# KiCad board OpenEFI_rev4_bkp.kicad_pcb (continued)
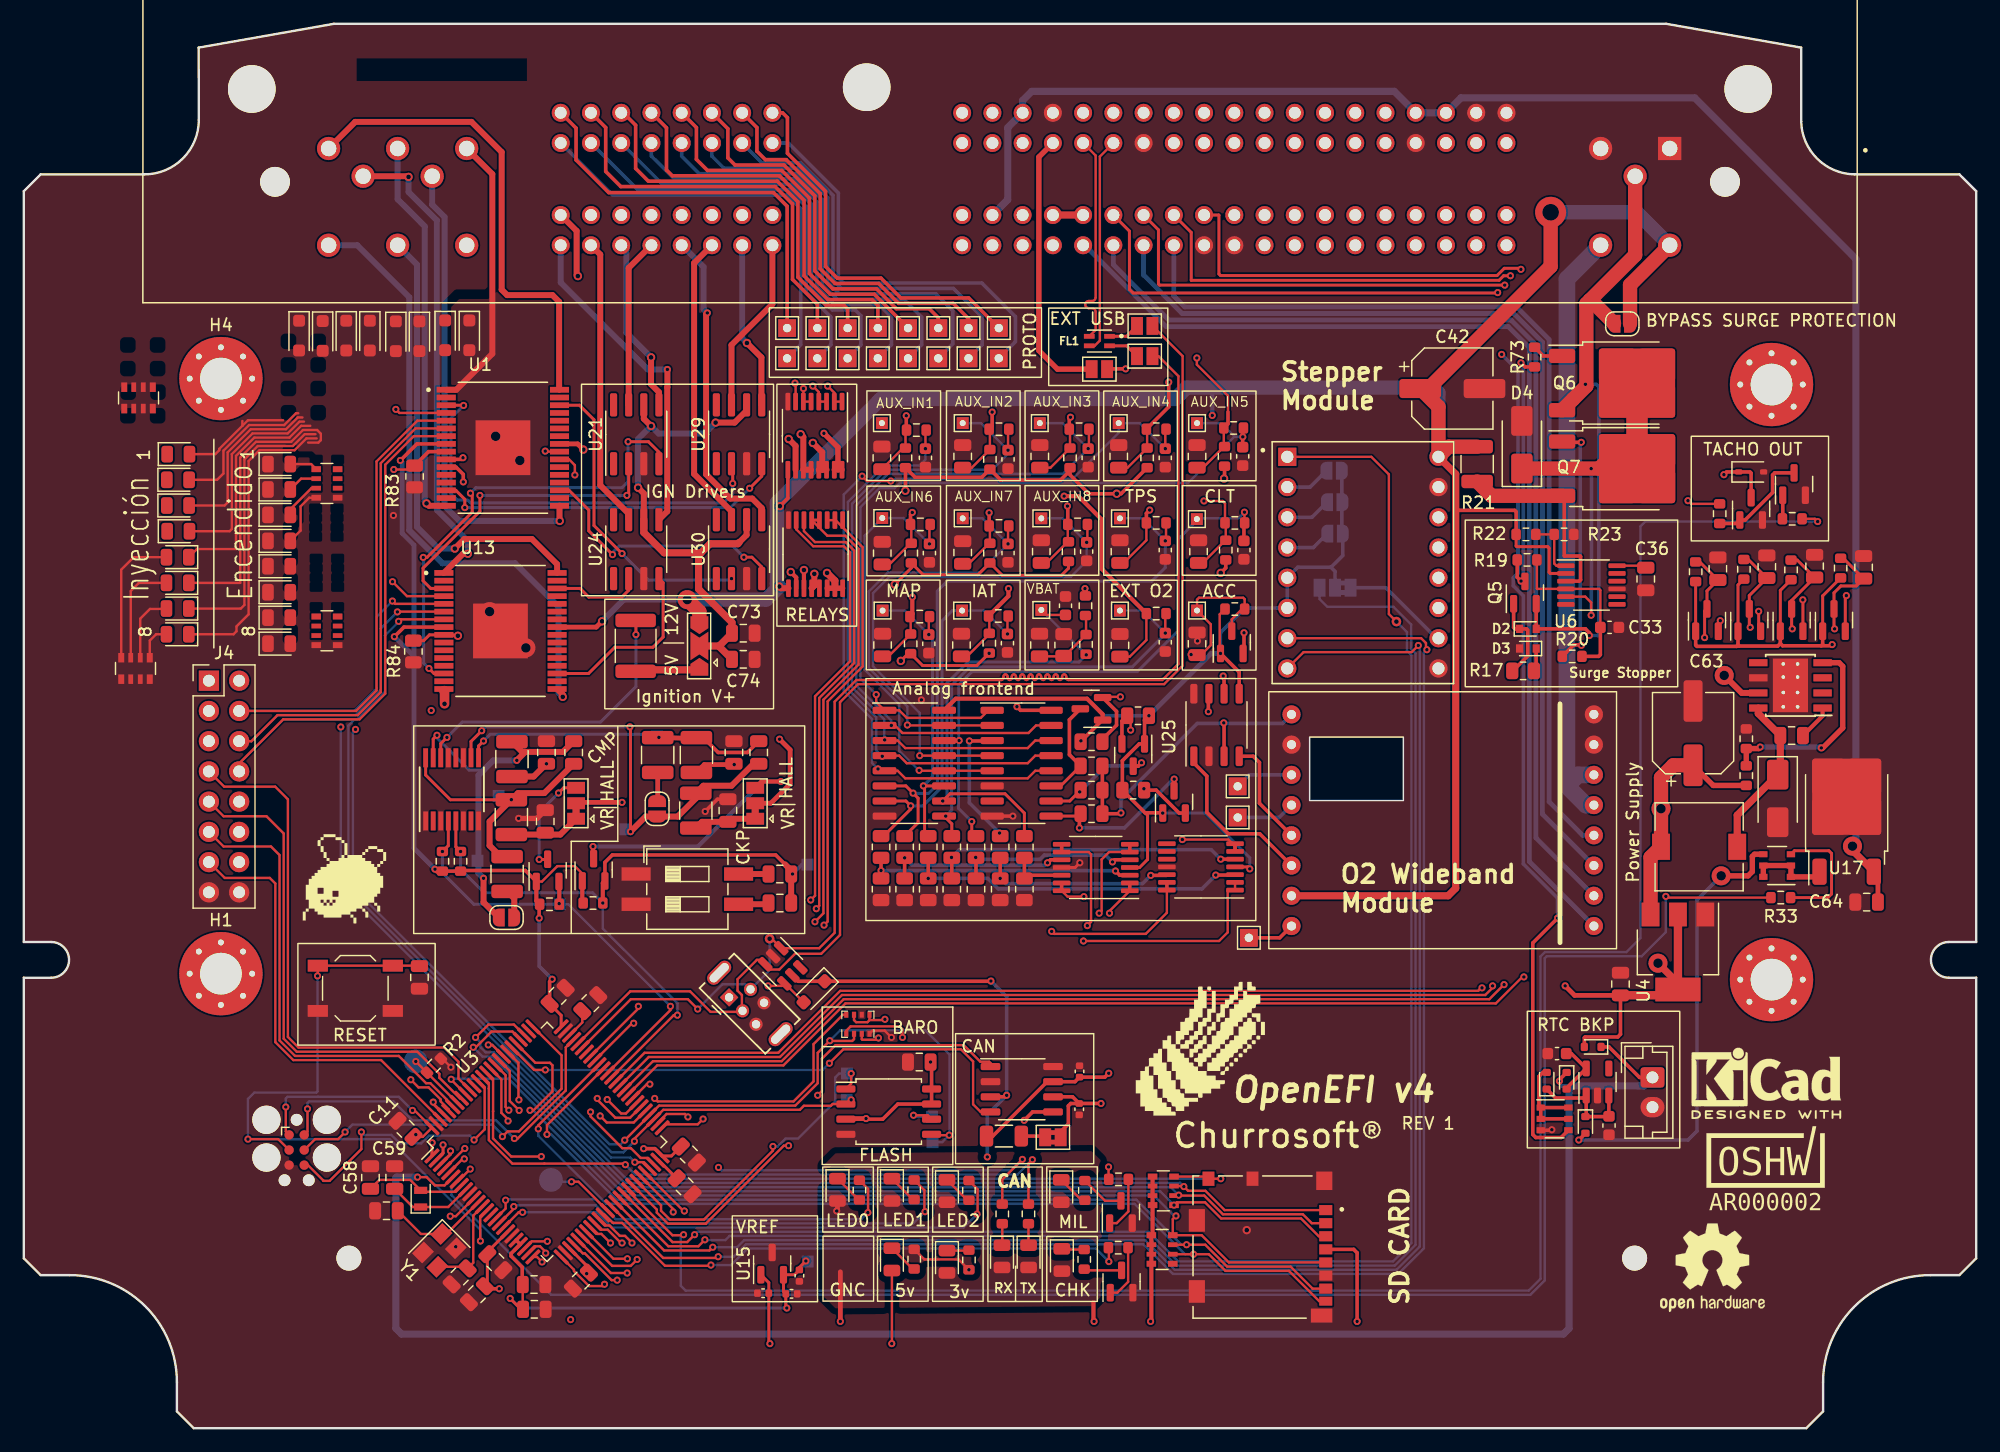
[diagram p0: board, top side]
## Placement (name value [footprint] x y rotation side) (continued)
U8  BMP280  [Bosch_LGA-8_2x2.5mm_P0.65mm_ClockwisePinNumbering]  70.06 33.94 180 top
U9  LMV324  [TSSOP-14_4.4x5mm_P0.65mm]  90.04 47.11 180 top
U10  LMV324  [TSSOP-14_4.4x5mm_P0.65mm]  98.88 47.16 180 top
U11  SRV05-4  [SOT-23-6]  63.75 38.85 315 top
U12  TJA1051T-3  [SOP-8_3.9x4.9mm_P1.27mm]  83.83 28.48 0 top
U13  MCZ33810EK  [SOP65P1030X245-33N]  40.04 66.99 0 top
U14  MIC5205-3.3YM5  [SOT-23-5]  132.19 29.09 90 top
U15  REF3033  [SOT-23]  62.86 13.83 90 top
U16  TPS5430DDA  [TI_SO-PowerPAD-8_ThermalVias]  148.4 62.41 180 top
U17  L78M05ABDT-TR  [TO-252-2]  153.12 51.8 90 top
U19  f042_wideband_module  [rusEFI_WBO]  121.09 51.72 0 top
U20  TPL7407LAPWR  [TSSOP-16_4.4x5mm_P0.65mm]  66.51 73.44 270 top
U21  TC4424A  [SOIC-8_3.9x4.9mm_P1.27mm]  51.44 83.51 90 top
U22  TPL7407LAPWR  [TSSOP-16_4.4x5mm_P0.65mm]  66.46 83.39 270 top
U23  PaP_Driver_v1  [MODULE_A4988_STEPPER_MOTOR_DRIVER_CARRIER]  112.48 72.73 0 top
U24  TC4424A  [SOIC-8_3.9x4.9mm_P1.27mm]  51.44 73.86 90 top
U25  TJA1051T-3  [SOP-8_3.9x4.9mm_P1.27mm]  100.19 59.09 90 top
U26  SP720ABTG  [SOP-16_3.9x9.9mm_P1.27mm]  74.8 55.87 0 top
U29  TC4424A  [SOIC-8_3.9x4.9mm_P1.27mm]  60.08 83.51 90 top
U30  TC4424A  [SOIC-8_3.9x4.9mm_P1.27mm]  60.08 73.86 90 top
U36  MAX9926UAEE+  [QSOP-16_3.9x4.9mm_P0.635mm]  35.98 53.68 90 top
Y1  25MHz  [Crystal_SMD_3225-4Pin_3.2x2.5mm]  34.91 14.94 225 top
Y3  32.768kHz  [Crystal_SMD_2012-2Pin_2.0x1.2mm]  33.33 19.28 90 top

## Library data of the parts
C1 C5 C9-C11 C13-C15 C17 C18 C21 C24 C25 C30 C32 C34 C36 C37 C39 C45 C64-C66 C68 C70 = -: LCSC: C49678; ki_fp_filters: C_*
C2 C3 = -: LCSC: C1794; ki_fp_filters: C_*
C4 C20 C23 C26 C29 C33 C35 C38 C44 C46 C49 C50 C60 C61 C67 C69 C71 = -: ki_fp_filters: C_*
C6 = -: LCSC: C28323; ki_fp_filters: C_*
C7 C8 = -: LCSC: C49217; Note: Low ESR <2Ohm; ki_fp_filters: C_*
C16 = -: LCSC: 0805; ki_fp_filters: CP_*
C19 C22 C31 C51 C72 = -: Digikey Part Number: 311-1136-1-ND; LCSC: C83170; Manufacturer_Name: Yageo; Manufacturer_Part_Number: CC0805KRX7R9BB103; URL: https://www.digikey.com/product-detail/en/yageo/CC0805KRX7R9BB103/311-1136-1-ND/303046; ki_fp_filters: C_*
C27 C28 = -: LCSC: C1567; ki_fp_filters: C_*
C40 C43 = -: LCSC: C52923; ki_fp_filters: C_*
C41 C52-C57 = -: LCSC: C100042; ki_fp_filters: C_*
C42 = -: LCSC: C141427; ki_fp_filters: CP_*
C47 = -: LCSC: C576950; ki_fp_filters: C_*
C48 = -: LCSC: C1525; ki_fp_filters: C_*
C58 C59 = -: LCSC: C282251; ki_fp_filters: C_*
C62 = -: LCSC: C1846; ki_fp_filters: C_*
C63 = -: LCSC: null; ki_fp_filters: CP_*
C73 = -: Digikey Part Number: 311-1365-1-ND; LCSC: C94122; Manufacturer_Name: Yageo; Manufacturer_Part_Number: CC0805KKX7R7BB105; URL: https://www.digikey.com/product-detail/en/yageo/CC0805KKX7R7BB105/311-1365-1-ND/2103149; ki_fp_filters: C_*
C74 = -: Digikey Part Number: 311-1140-1-ND; LCSC: C49678; Manufacturer_Name: Yageo; Manufacturer_Part_Number: CC0805KRX7R9BB104; URL: https://www.digikey.com.au/product-detail/en/yageo/CC0805KRX7R9BB104/311-1140-1-ND/303050; ki_fp_filters: C_*
D1 D16-D22 D77 = -: Digikey Part Number: SML-H12D8TT86CCT-ND; LCSC: C965814; Manufacturer_Name: Rohm Semiconductor; Manufacturer_Part_Number: SML-H12D8TT86C; URL: https://www.digikey.com.au/product-detail/en/rohm-semiconductor/SML-H12D8TT86C/SML-H12D8TT86CCT-ND/9090486; ki_fp_filters: LED* LED_SMD:* LED_THT:*
D2 D3 D14 D23-D25 = -: Datasheet: https://assets.nexperia.com/documents/data-sheet/1N4148_1N4448.pdf; LCSC: C511874; ki_fp_filters: D*DO?35*
D4 = -: LCSC: C148235; ki_fp_filters: TO-???* *_Diode_* *SingleDiode* D_*
D5 D10 = -: Digikey Part Number: SML-H12D8TT86CCT-ND; LCSC: C965817; Manufacturer_Name: Rohm Semiconductor; Manufacturer_Part_Number: SML-H12D8TT86C; URL: https://www.digikey.com.au/product-detail/en/rohm-semiconductor/SML-H12D8TT86C/SML-H12D8TT86CCT-ND/9090486; ki_fp_filters: LED* LED_SMD:* LED_THT:*
D6 D7 D12 D13 = -: Digikey Part Number: SML-H12D8TT86CCT-ND; LCSC: C965813; Manufacturer_Name: Rohm Semiconductor; Manufacturer_Part_Number: SML-H12D8TT86C; URL: https://www.digikey.com.au/product-detail/en/rohm-semiconductor/SML-H12D8TT86C/SML-H12D8TT86CCT-ND/9090486; ki_fp_filters: LED* LED_SMD:* LED_THT:*
D8 = -: Digikey Part Number: SML-H12D8TT86CCT-ND; LCSC: C965816; Manufacturer_Name: Rohm Semiconductor; Manufacturer_Part_Number: SML-H12D8TT86C; URL: https://www.digikey.com.au/product-detail/en/rohm-semiconductor/SML-H12D8TT86C/SML-H12D8TT86CCT-ND/9090486; ki_fp_filters: LED* LED_SMD:* LED_THT:*
D9 = -: Digikey Part Number: SML-H12D8TT86CCT-ND; LCSC: C965812; Manufacturer_Name: Rohm Semiconductor; Manufacturer_Part_Number: SML-H12D8TT86C; URL: https://www.digikey.com.au/product-detail/en/rohm-semiconductor/SML-H12D8TT86C/SML-H12D8TT86CCT-ND/9090486; ki_fp_filters: LED* LED_SMD:* LED_THT:*
D11 = -: LCSC: C894524; STOCK: BI000000597; ki_fp_filters: TO-???* *_Diode_* *SingleDiode* D_*
D15 = -: Datasheet: http://www.diodes.com/_files/datasheets/ds23022.pdf; LCSC: C191023; ki_fp_filters: D*DO?41*
D26 = -: LCSC: C3018525; ki_fp_filters: TO-???* *_Diode_* *SingleDiode* D_*
D43 D63 D65 D67 D69 D71 D73 D75 = -: Digikey Part Number: 475-1415-1-ND; LCSC: C965815; Manufacturer_Name: OSRAM; Manufacturer_Part_Number: LH R974-LP-1; URL: https://www.digikey.com/product-detail/en/osram-opto-semiconductors-inc/LH-R974-LP-1/475-1415-1-ND/1802604; ki_fp_filters: LED* LED_SMD:* LED_THT:*
D47 D64 D66 D68 D70 D72 D74 = -: LCSC: C5277952; Manufacturer_Name: MCC; Manufacturer_Part_Number: 1N4448WX-TP; URL: https://www.digikey.com/product-detail/en/micro-commercial-co/1N4448WX-TP/1N4448WXTPMSCT-ND/789338; ki_fp_filters: TO-???* *_Diode_* *SingleDiode* D_*
D76 = -: LCSC: C7473300; Manufacturer_Name: MCC; Manufacturer_Part_Number: 1N4448WX-TP; URL: https://www.digikey.com/product-detail/en/micro-commercial-co/1N4448WX-TP/1N4448WXTPMSCT-ND/789338; ki_fp_filters: TO-???* *_Diode_* *SingleDiode* D_*
F1 = -: Digikey Part Number: 507-1361-1-ND; LCSC: C883142; Manufacturer_Name: Bel Fuse Inc.; Manufacturer_Part_Number: 0ZCC0050FF2C; URL: https://www.digikey.com.au/product-detail/en/bel-fuse-inc/0ZCC0050FF2C/507-1361-1-ND/1560228; ki_fp_filters: *polyfuse* *PTC*
FL1 = -: Description: Ind Common Mode Choke Shielded Wirewound 90 Ohm 25% 100MHz 280mA 0805 Emboss T/R; Availability: In Stock; Check_prices: https://www.snapeda.com/parts/DLW21SZ900HQ2L/Murata/view-part/?ref=eda; MANUFACTURER: Murata; MAXIMUM_PACKAGE_HEIGHT: 1.40mm; MF: Murata Electronics; PARTREV: N/A; Package: Horizontal-4 Murata; Price: None; Purchase-URL: https://www.snapeda.com/api/url_track_click_mouser/?unipart_id=1498725&manufacturer=Murata Electronics&part_name=DLW21SZ900HQ2L&search_term=dlw21sz900hq2l; STANDARD: Manufacturer Recommendations; SnapEDA_Link: https://www.snapeda.com/parts/DLW21SZ900HQ2L/Murata/view-part/?ref=snap
H1-H6 = -: ki_fp_filters: MountingHole*
J1 = -: LCSC: C2682228; ki_fp_filters: USB*
J2 J4 = -: ki_fp_filters: Connector*:*_2x??_*
J3 = -: Description: Surface Mount Micro SD Card Connector, with Push In Termination | Molex Incorporated 104031-0811; Availability: In Stock; Check_prices: https://www.snapeda.com/parts/104031-0811/Molex/view-part/?ref=eda; MANUFACTURER: Molex; MAXIMUM_PACKAGE_HEIGHT: 1.57mm; MF: Molex; PARTREV: B2; Package: None; Price: None; Purchase-URL: https://www.snapeda.com/api/url_track_click_mouser/?unipart_id=301764&manufacturer=Molex&part_name=104031-0811&search_term=1040310811; STANDARD: Manufacturer Recommendations; SnapEDA_Link: https://www.snapeda.com/parts/104031-0811/Molex/view-part/?ref=snap
J6 = -: Description: Conn Micro Quadlok Interconnection HDR 108/13 POS 2.54mm Solder RA Thru-Hole Automotive Loose; Availability: In Stock; Check_prices: https://www.snapeda.com/parts/1241434-1/TE+Connectivity+AMP+Connectors/view-part/?ref=eda; EU_RoHS_Compliance: Compliant; MANUFACTURER: TE Connectivity; MAXIMUM_PACKAGE_HEIGHT: 31.4 mm; MF: TE Connectivity; PARTREV: C15; Package: None; Price: None; Purchase-URL: https://www.snapeda.com/api/url_track_click_mouser/?unipart_id=1973699&manufacturer=TE Connectivity&part_name=1241434-1&search_term=None; STANDARD: Manufacturer Recommendations; SnapEDA_Link: https://www.snapeda.com/parts/1241434-1/TE+Connectivity+AMP+Connectors/view-part/?ref=snap
JP1-JP3 JP10-JP12 JP23 JP24 = -: ki_fp_filters: SolderJumper*Open*
JP4 = -: ki_fp_filters: SolderJumper*Open* Jumper* TestPoint*2Pads* TestPoint*Bridge*
JP5 JP8 JP9 = -: ki_fp_filters: Jumper* TestPoint*3Pads* TestPoint*Bridge*
JP6 = -: ki_fp_filters: SolderJumper*Bridged12*
JP7 = -: ki_fp_filters: Jumper* TestPoint*2Pads* TestPoint*Bridge*
L1 = -: ki_fp_filters: Choke_* *Coil* Inductor_* L_*
Q1-Q4 Q12 Q14-Q19 = -: Datasheet: http://www.aosmd.com/pdfs/datasheet/AO3400A.pdf; LCSC: C347475; ki_fp_filters: SOT?23*
Q5 Q8 Q9 Q11 = -: Datasheet: http://www.onsemi.com/pub_link/Collateral/2N3055-D.PDF; LCSC: C2150; ki_fp_filters: TO?3*
Q6 Q7 = -: Datasheet: http://www.irf.com/product-info/datasheets/data/irlz44n.pdf; LCSC: C2584; ki_fp_filters: TO?220*
Q10 Q20 = -: Datasheet: http://www.irf.com/product-info/datasheets/data/irf540n.pdf; LCSC: C5288813; ki_fp_filters: TO?220*
R1 R2 R33 R68 R121 R122 = -: ki_fp_filters: R_*
R3-R5 R24-R27 R29 R30 = -: LCSC: C23162; ki_fp_filters: R_*
R6 R9 R12 R15 R36 R39 R41 R43 R46 R54 R74 = -: LCSC: C22908; ki_fp_filters: R_*
R7 R44 R48 R61 R63 R66 R69 = -: Digikey Part Number: P348KCDKR-ND; Manufacturer_Name: Panasonic; Manufacturer_Part_Number: ERJ-6ENF3483V; URL: https://www.digikey.com.au/product-detail/en/panasonic-electronic-components/ERJ-6ENF3483V/P348KCDKR-ND/576673; ki_fp_filters: R_*
R8 R11 R14 R37 R38 R40 R42 R45 R56 R60 R75-R78 = -: LCSC: C23179; ki_fp_filters: R_*
R10 R13 R47 R55 R57 R62 R67 = -: Digikey Part Number: 311-180KCRCT-ND; Manufacturer_Name: Yageo; Manufacturer_Part_Number: RC0805FR-07180KL; URL: https://www.digikey.com.au/product-detail/en/yageo/RC0805FR-07180KL/311-180KCRCT-ND/730597; ki_fp_filters: R_*
R16 = -: Digikey Part Number: 311-604CRCT-ND; Manufacturer_Name: Yageo; Manufacturer_Part_Number: RC0805FR-07604RL; Tolerance: 1%; URL: https://www.digikey.com/product-detail/en/yageo/RC0805FR-07604RL/311-604CRCT-ND/731022; ki_fp_filters: R_*
R17 R18 R23 R49-R53 R83 R84 = -: LCSC: C17414; ki_fp_filters: R_*
R19 = -: LCSC: C22935; ki_fp_filters: R_*
R20 R73 = -: LCSC: C22859; ki_fp_filters: R_*
R21 = -: LCSC: C7467300; ki_fp_filters: R_*
R22 = -: LCSC: C2933240; ki_fp_filters: R_*
R28 = -: Digikey Part Number: YAG4550CT-ND; LCSC: C861385; Manufacturer_Name: Yageo; Manufacturer_Part_Number: RT0603BRD073K88L; Tolerance: 1%; URL: https://www.digikey.com/product-detail/en/yageo/RT0603BRD073K88L/YAG4550CT-ND/6616706; ki_fp_filters: R_*
R31 R32 R34 R64 R65 R79-R82 R85 = -: LCSC: C21190; ki_fp_filters: R_*
R35 = -: LCSC: ---; STOCK: 44; ki_fp_filters: R_*
R70 = -: LCSC: C2933197; ki_fp_filters: R_*
R71 R72 R116 R117 = -: LCSC: C2974059; ki_fp_filters: R_*
R115 R120 = -: LCSC: C407178; ki_fp_filters: R_*
RN1-RN4 = -: LCSC: C110021; ki_fp_filters: DIP* SOIC* R*Array*Concave* R*Array*Convex*
RN5 RN6 = -: LCSC: C779384; ki_fp_filters: DIP* SOIC* R*Array*Concave* R*Array*Convex*
SW4 = -: ki_fp_filters: SW?DIP?x2*
TP1-TP39 TP67-TP74 = -: ki_fp_filters: Pin* Test*
U1 U13 = -: Datasheet: -; Field4: FREESCALE SEMICONDUCTOR; Field5: 45P4988; Field6: SOP-32
U2 = -: LCSC: C233468
U3 = -: Datasheet: http://www.st.com/st-web-ui/static/active/en/resource/technical/document/datasheet/DM00037051.pdf; ki_fp_filters: LQFP*14x14mm*P0.5mm*
U4 = -: Datasheet: http://www.advanced-monolithic.com/pdf/ds1117.pdf; ki_fp_filters: SOT?223*TabPin2*
U6 = -: Datasheet: https://ar.mouser.com/datasheet/2/609/ADuM4160-1503590.pdf; LCSC: C118131
U7 = -: Datasheet: http://ww1.microchip.com/downloads/en/DeviceDoc/21832H.pdf; ki_fp_filters: DIP*W7.62mm* SOIC*3.9x4.9mm* TSSOP*4.4x3mm*P0.65mm*
U8 = -: Datasheet: https://ae-bst.resource.bosch.com/media/_tech/media/datasheets/BST-BMP280-DS001.pdf; LCSC: C83291; ki_fp_filters: Bosch*LGA*2x2.5mm*P0.65mm*
U9 U10 = -: Datasheet: http://www.ti.com/lit/ds/symlink/lmv324.pdf; ki_fp_filters: SOIC*3.9x8.7mm*P1.27mm* DIP*W7.62mm* TSSOP*4.4x5mm*P0.65mm* SSOP*5.3x6.2mm*P0.65mm* MSOP*3x3mm*P0.5mm*
U11 = -: Datasheet: http://www.onsemi.com/pub/Collateral/SRV05-4-D.PDF; ki_fp_filters: SOT?23*
U12 U25 = -: Datasheet: http://www.nxp.com/documents/data_sheet/TJA1051.pdf; LCSC: C5342108; ki_fp_filters: SOIC*3.9x4.9mm*P1.27mm*
U14 = -: Datasheet: http://ww1.microchip.com/downloads/en/DeviceDoc/20005785A.pdf; ki_fp_filters: SOT?23*
U15 = -: Datasheet: http://www.ti.com/lit/ds/symlink/ref3033.pdf; LCSC: C36658; ki_fp_filters: SOT?23*
U16 = -: Datasheet: http://www.ti.com/lit/ds/symlink/tps5430.pdf; ki_fp_filters: TI*SO*PowerPAD*ThermalVias*
U17 = -: Datasheet: http://www.st.com/content/ccc/resource/technical/document/datasheet/41/4f/b3/b0/12/d4/47/88/CD00000444.pdf/files/CD00000444.pdf/jcr:content/translations/en.CD00000444.pdf; LCSC: C58069; ki_fp_filters: TO?252* TO?263* TO?220*
U20 U22 = -: LCSC: C91443
U21 U24 U29 U30 = -: Digikey Part Number: TC4424AVOA-ND; LCSC: C44150; Manufacturer_Name: Microchip; Manufacturer_Part_Number: TC4424AVOA; URL: https://www.digikey.com/product-detail/en/microchip-technology/TC4424AVOA/TC4424AVOA-ND/1098908
U26 = -: LCSC: C434726
U36 = -: Description: Variable Reluctance Sensor Interface 16-Pin QSOP Tube; Availability: Unavailable; MF: Maxim Integrated; Package: QSOP-16 Maxim; Price: None
Y1 = -: ki_fp_filters: Crystal*
Y3 = -: LCSC: C5381473; ki_fp_filters: Crystal*

## Footprints (pads in the part's own frame, mm; a bottom-side part is the same pattern mirrored in y, then rotated)
Bosch_LGA-8_2x2.5mm_P0.65mm_ClockwisePinNumbering
  rect 0.35x0.5 smd: 1(-0.975,0.8) 2(-0.325,0.8) 3(0.325,0.8) 4(0.975,0.8) 5(0.975,-0.8) 6(0.325,-0.8) 7(-0.325,-0.8) 8(-0.975,-0.8)
C_0402_1005Metric
  rrect 0.56x0.62 smd: 1(-0.48,0) 2(0.48,0)
C_0603_1608Metric
  rrect 0.9x0.95 smd: 1(-0.775,0) 2(0.775,0)
C_0805_2012Metric
  rrect 1x1.45 smd: 1(-0.95,0) 2(0.95,0)
CP_Elec_6.3x7.7
  rrect 3.5x1.6 smd: 1(-2.7,0) 2(2.7,0)
Crystal_SMD_2012-2Pin_2.0x1.2mm
  rect 0.6x1.1 smd: 1(-0.7,0) 2(0.7,0)
Crystal_SMD_3225-4Pin_3.2x2.5mm
  rect 1.4x1.2 smd: 1(-1.1,-0.85) 2(1.1,-0.85) 3(1.1,0.85) 4(-1.1,0.85)
D_SMA
  rrect 2.5x1.8 smd: 1(-2,0) 2(2,0)
D_SOD-323
  rrect 0.6x0.45 smd: 1(-1.05,0) 2(1.05,0)
D_SOD-323_HandSoldering
  rrect 1x1 smd: 1(-1.25,0) 2(1.25,0)
D_SOD-523
  rect 0.6x0.7 smd: 1(-0.7,0) 2(0.7,0)
D_SOD-523#2
  rrect 0.6x0.7 smd: 1(-0.7,0) 2(0.7,0)
FIL_DLW21SZ900HQ2L
  rect 0.9x0.4 smd: 1(-0.85,-0.4) 2(0.85,-0.4) 3(0.85,0.4) 4(-0.85,0.4)
Fuse_1812_4532Metric
  rrect 1.125x3.4 smd: 1(-2.138,0) 2(2.138,0)
JST_EH_B2B-EH-A_1x02_P2.50mm_Vertical
  rrect 1.7x2 hole 1: 1(0,0)
  oval 1.7x2 hole 1: 2(2.5,0)
L_7.3x7.3_H4.5
  rect 1.5x2.2 smd: 1(-3.2,0) 2(3.2,0)
LED_0805_2012Metric
  rrect 0.975x1.4 smd: 1(-0.938,0) 2(0.938,0)
LQFP-100_14x14mm_P0.5mm
  rrect 1.6x0.3 smd: 1(-7.675,6) 2(-7.675,5.5) 3(-7.675,5) 4(-7.675,4.5) 5(-7.675,4) 6(-7.675,3.5) 7(-7.675,3) 8(-7.675,2.5) 9(-7.675,2) 10(-7.675,1.5) 11(-7.675,1) 12(-7.675,0.5) 13(-7.675,0) 14(-7.675,-0.5) 15(-7.675,-1) 16(-7.675,-1.5) 17(-7.675,-2) 18(-7.675,-2.5) 19(-7.675,-3) 20(-7.675,-3.5) 21(-7.675,-4) 22(-7.675,-4.5) 23(-7.675,-5) 24(-7.675,-5.5) 25(-7.675,-6) 51(7.675,-6) 52(7.675,-5.5) 53(7.675,-5) 54(7.675,-4.5) 55(7.675,-4) 56(7.675,-3.5) 57(7.675,-3) 58(7.675,-2.5) 59(7.675,-2) 60(7.675,-1.5) 61(7.675,-1) 62(7.675,-0.5) 63(7.675,0) 64(7.675,0.5) 65(7.675,1) 66(7.675,1.5) 67(7.675,2) 68(7.675,2.5) 69(7.675,3) 70(7.675,3.5) 71(7.675,4) 72(7.675,4.5) 73(7.675,5) 74(7.675,5.5) 75(7.675,6)
  rrect 0.3x1.6 smd: 26(-6,-7.675) 27(-5.5,-7.675) 28(-5,-7.675) 29(-4.5,-7.675) 30(-4,-7.675) 31(-3.5,-7.675) 32(-3,-7.675) 33(-2.5,-7.675) 34(-2,-7.675) 35(-1.5,-7.675) 36(-1,-7.675) 37(-0.5,-7.675) 38(0,-7.675) 39(0.5,-7.675) 40(1,-7.675) 41(1.5,-7.675) 42(2,-7.675) 43(2.5,-7.675) 44(3,-7.675) 45(3.5,-7.675) 46(4,-7.675) 47(4.5,-7.675) 48(5,-7.675) 49(5.5,-7.675) 50(6,-7.675) 76(6,7.675) 77(5.5,7.675) 78(5,7.675) 79(4.5,7.675) 80(4,7.675) 81(3.5,7.675) 82(3,7.675) 83(2.5,7.675) 84(2,7.675) 85(1.5,7.675) 86(1,7.675) 87(0.5,7.675) 88(0,7.675) 89(-0.5,7.675) 90(-1,7.675) 91(-1.5,7.675) 92(-2,7.675) 93(-2.5,7.675) 94(-3,7.675) 95(-3.5,7.675) 96(-4,7.675) 97(-4.5,7.675) 98(-5,7.675) 99(-5.5,7.675) 100(-6,7.675)
MODULE_A4988_STEPPER_MOTOR_DRIVER_CARRIER
  rect 1.53x1.53 hole 1.02: 1(-6.35,8.89)
  round 1.53 hole 1.02: 2(-6.35,6.35) 3(-6.35,3.81) 4(-6.35,1.27) 5(-6.35,-1.27) 6(-6.35,-3.81) 7(-6.35,-6.35) 8(-6.35,-8.89) 9(6.35,-8.89) 10(6.35,-6.35) 11(6.35,-3.81) 12(6.35,-1.27) 13(6.35,1.27) 14(6.35,3.81) 15(6.35,6.35) 16(6.35,8.89)
MOLEX_104031-0811
  rect 0.85x1.1 smd: 1(3.105,-5.45) 2(2.005,-5.45) 3(0.905,-5.45) 4(-0.195,-5.45) 5(-1.295,-5.45) 6(-2.395,-5.45) 7(-3.495,-5.45)
  rect 0.75x1.1 smd: 8(-4.545,-5.45)
  rect 1.2x1 smd: 9(5.74,0.7) 10(5.74,4.4)
  rect 1.55x1.35 smd: G1(5.565,-5.325)
  rect 1.17x1.8 smd: G2(-5.755,-5.1)
  rect 1.9x1.35 smd: G3(-3.73,5.375) G4(2.24,5.375)
MountingHole_2.1mm
  round 2.1 hole 2.1 unplated: (0,0)
MountingHole_3.5mm_Pad_Via
  round 0.8 hole 0.5: 1(-2.625,0) 1(-1.856,1.856) 1(-1.856,-1.856) 1(0,2.625) 1(0,-2.625) 1(1.856,1.856) 1(1.856,-1.856) 1(2.625,0)
  round 7 hole 3.5: 1(0,0)
MSOP-12_3x4mm_P0.65mm
  rrect 1.45x0.4 smd: 1(-2.15,1.625) 2(-2.15,0.975) 3(-2.15,0.325) 4(-2.15,-0.325) 5(-2.15,-0.975) 6(-2.15,-1.625) 7(2.15,-1.625) 8(2.15,-0.975) 9(2.15,-0.325) 10(2.15,0.325) 11(2.15,0.975) 12(2.15,1.625)
PinHeader_2x08_P2.54mm_Vertical
  rect 1.7x1.7 hole 1: 1(0,0)
  oval 1.7x1.7 hole 1: 2(2.54,0) 3(0,-2.54) 4(2.54,-2.54) 5(0,-5.08) 6(2.54,-5.08) 7(0,-7.62) 8(2.54,-7.62) 9(0,-10.16) 10(2.54,-10.16) 11(0,-12.7) 12(2.54,-12.7) 13(0,-15.24) 14(2.54,-15.24) 15(0,-17.78) 16(2.54,-17.78)
QSOP-16_3.9x4.9mm_P0.635mm
  rect 1.6x0.41 smd: 1(-2.654,2.223) 2(-2.654,1.587) 3(-2.654,0.953) 4(-2.654,0.318) 5(-2.654,-0.318) 6(-2.654,-0.953) 7(-2.654,-1.587) 8(-2.654,-2.223) 9(2.654,-2.223) 10(2.654,-1.587) 11(2.654,-0.953) 12(2.654,-0.318) 13(2.654,0.318) 14(2.654,0.953) 15(2.654,1.587) 16(2.654,2.223)
R_0603_1608Metric
  rrect 0.8x0.95 smd: 1(-0.825,0) 2(0.825,0)
R_0805_2012Metric
  rrect 1.025x1.4 smd: 1(-0.912,0) 2(0.912,0)
R_1206_3216Metric
  rrect 1.125x1.75 smd: 1(-1.462,0) 2(1.462,0)
R_1210_3225Metric
  rrect 1.125x2.65 smd: 1(-1.462,0) 2(1.462,0)
R_Array_Convex_4x0603
  rect 0.8x0.5 smd: 1(-0.9,1.2) 4(-0.9,-1.2) 5(0.9,-1.2) 8(0.9,1.2)
  rect 0.8x0.4 smd: 2(-0.9,0.4) 3(-0.9,-0.4) 6(0.9,-0.4) 7(0.9,0.4)
rusEFI_WBO
  round 1.524 hole 0.762: 1(-14.605,8.255) 2(-14.605,5.715) 3(-14.605,3.175) 4(-14.605,0.635) 5(-14.605,-1.905) 6(-14.605,-4.445) 7(-14.605,-6.985) 8(-14.605,-9.525) 9(10.795,8.255) 10(10.795,5.715) 11(10.795,3.175) 12(10.795,0.635) 13(10.795,-1.905) 14(10.795,-4.445) 15(10.795,-6.985) 16(10.795,-9.525)
SOIC-8_3.9x4.9mm_P1.27mm
  rrect 1.95x0.6 smd: 1(-2.475,1.905) 2(-2.475,0.635) 3(-2.475,-0.635) 4(-2.475,-1.905) 5(2.475,-1.905) 6(2.475,-0.635) 7(2.475,0.635) 8(2.475,1.905)
SOIC-8_5.275x5.275mm_P1.27mm
  rrect 1.6x0.6 smd: 1(-3.6,1.905) 2(-3.6,0.635) 3(-3.6,-0.635) 4(-3.6,-1.905) 5(3.6,-1.905) 6(3.6,-0.635) 7(3.6,0.635) 8(3.6,1.905)
SOIC-16_3.9x9.9mm_P1.27mm
  rrect 1.95x0.6 smd: 1(-2.475,4.445) 2(-2.475,3.175) 3(-2.475,1.905) 4(-2.475,0.635) 5(-2.475,-0.635) 6(-2.475,-1.905) 7(-2.475,-3.175) 8(-2.475,-4.445) 9(2.475,-4.445) 10(2.475,-3.175) 11(2.475,-1.905) 12(2.475,-0.635) 13(2.475,0.635) 14(2.475,1.905) 15(2.475,3.175) 16(2.475,4.445)
SolderJumper-2_P1.3mm_Bridged2Bar_Pad1.0x1.5mm
  rect 1x1.5 smd: 1(-0.65,0) 2(0.65,0)
SolderJumper-2_P1.3mm_Open_Pad1.0x1.5mm
  rect 1x1.5 smd: 1(-0.65,0) 2(0.65,0)
SolderJumper-2_P1.3mm_Open_RoundedPad1.0x1.5mm
  custom 1x1.5 smd: 1(-0.65,0) 2(0.65,0)
SolderJumper-3_P1.3mm_Bridged2Bar12_Pad1.0x1.5mm_NumberLabels
  rect 1x1.5 smd: 1(-1.3,0) 2(0,0) 3(1.3,0)
SolderJumper-3_P1.3mm_Bridged12_Pad1.0x1.5mm
  rect 1x1.5 smd: 1(-1.3,0) 2(0,0) 3(1.3,0)
SolderJumper-3_P2.0mm_Open_TrianglePad1.0x1.5mm
  rect 1.5x1.5 smd: (-1.2,0) (1.2,0)
  custom 1.5x1.5 smd: 1(-2,0) 3(2,0)
  custom 2.4x1.5 smd: 2(0,0)
SOP65P1030X245-33N
  rect 1.6x0.48 smd: 1(-4.755,4.875) 2(-4.755,4.225) 3(-4.755,3.575) 4(-4.755,2.925) 5(-4.755,2.275) 6(-4.755,1.625) 7(-4.755,0.975) 8(-4.755,0.325) 9(-4.755,-0.325) 10(-4.755,-0.975) 11(-4.755,-1.625) 12(-4.755,-2.275) 13(-4.755,-2.925) 14(-4.755,-3.575) 15(-4.755,-4.225) 16(-4.755,-4.875) 17(4.755,-4.875) 18(4.755,-4.225) 19(4.755,-3.575) 20(4.755,-2.925) 21(4.755,-2.275) 22(4.755,-1.625) 23(4.755,-0.975) 24(4.755,-0.325) 25(4.755,0.325) 26(4.755,0.975) 27(4.755,1.625) 28(4.755,2.275) 29(4.755,2.925) 30(4.755,3.575) 31(4.755,4.225) 32(4.755,4.875)
  rect 4.6x4.6 smd: 33(0,0)
SOP-8_3.9x4.9mm_P1.27mm
  rrect 1.65x0.6 smd: 1(-2.625,1.905) 2(-2.625,0.635) 3(-2.625,-0.635) 4(-2.625,-1.905) 5(2.625,-1.905) 6(2.625,-0.635) 7(2.625,0.635) 8(2.625,1.905)
SOP-16_3.9x9.9mm_P1.27mm
  rrect 2x0.6 smd: 1(-2.5,4.445) 2(-2.5,3.175) 3(-2.5,1.905) 4(-2.5,0.635) 5(-2.5,-0.635) 6(-2.5,-1.905) 7(-2.5,-3.175) 8(-2.5,-4.445) 9(2.5,-4.445) 10(2.5,-3.175) 11(2.5,-1.905) 12(2.5,-0.635) 13(2.5,0.635) 14(2.5,1.905) 15(2.5,3.175) 16(2.5,4.445)
SOT-23
  rrect 1.475x0.6 smd: 1(-0.938,0.95) 2(-0.938,-0.95) 3(0.938,0)
SOT-23-5
  rrect 1.325x0.6 smd: 1(-1.137,0.95) 2(-1.137,0) 3(-1.137,-0.95) 4(1.137,-0.95) 5(1.137,0.95)
SOT-23-6
  rrect 1.325x0.6 smd: 1(-1.137,0.95) 2(-1.137,0) 3(-1.137,-0.95) 4(1.137,-0.95) 5(1.137,0) 6(1.137,0.95)
SOT-223-3_TabPin2
  rect 2x1.5 smd: 1(-3.15,2.3) 2(-3.15,0) 3(-3.15,-2.3)
  rect 2x3.8 smd: 2(3.15,0)
SW_DIP_SPSTx02_Slide_6.7x6.64mm_W8.61mm_P2.54mm_LowProfile
  rect 2.44x1.12 smd: 1(-4.305,1.27) 2(-4.305,-1.27) 3(4.305,-1.27) 4(4.305,1.27)
SW_SPST_TL3342
  rect 1.7x1 smd: 1(-3.15,1.9) 1(3.15,1.9) 2(-3.15,-1.9) 2(3.15,-1.9)
Tag-Connect_TC2030-IDC-FP_2x03_P1.27mm_Vertical
  round 2.375 hole 2.375 unplated: (-2.54,2.54) (-2.54,-2.54) (0.635,2.54) (0.635,-2.54)
  round 0.991 hole 0.991 unplated: (-2.54,0) (2.54,1.016) (2.54,-1.016)
  round 0.787 smd: 1(-1.27,-0.635) 2(-1.27,0.635) 3(0,-0.635) 4(0,0.635) 5(1.27,-0.635) 6(1.27,0.635)
TE_1241434-1
  round 4 hole 4 unplated: (-62.85,0) (11.2,-0.15) (62.85,0)
  round 2.5 hole 2.5 unplated: (-60.9,7.8) (60.9,7.8)
  rect 1.95x1.95 hole 1.3: 1(-56.25,5)
  round 1.95 hole 1.3: 2(-50.45,5) 3(-53.35,7.33) 4(-56.25,13.13) 5(-50.45,13.13) 114(44.8,5) 115(50.6,5) 116(56.4,5) 117(47.7,7.33) 118(53.5,7.33) 119(44.8,13.13) 120(50.6,13.13) 121(56.4,13.13)
  round 1.508 hole 1: 6(3.18,13.13) 7(0.64,13.13) 8(-1.9,13.13) 9(-4.44,13.13) 10(-6.98,13.13) 11(-9.52,13.13) 12(-12.06,13.13) 13(-14.6,13.13) 14(-17.14,13.13) 15(-19.68,13.13) 16(-22.22,13.13) 17(-24.76,13.13) 18(-27.3,13.13) 19(-29.84,13.13) 20(-32.38,13.13) 21(-34.92,13.13) 22(-37.46,13.13) 23(-40,13.13) 24(-42.54,13.13) 25(3.18,10.59) 26(0.64,10.59) 27(-1.9,10.59) 28(-4.44,10.59) 29(-6.98,10.59) 30(-9.52,10.59) 31(-12.06,10.59) 32(-14.6,10.59) 33(-17.14,10.59) 34(-19.68,10.59) 35(-22.22,10.59) 36(-24.76,10.59) 37(-27.3,10.59) 38(-29.84,10.59) 39(-32.38,10.59) 40(-34.92,10.59) 41(-37.46,10.59) 42(-40,10.59) 43(-42.54,10.59) 44(3.18,4.54) 45(0.64,4.54) 46(-1.9,4.54) 47(-4.44,4.54) 48(-6.98,4.54) 49(-9.52,4.54) 50(-12.06,4.54) 51(-14.6,4.54) 52(-17.14,4.54) 53(-19.68,4.54) 54(-22.22,4.54) 55(-24.76,4.54) 56(-27.3,4.54) 57(-29.84,4.54) 58(-32.38,4.54) 59(-34.92,4.54) 60(-37.46,4.54) 61(-40,4.54) 62(-42.54,4.54) 63(3.18,2) 64(0.64,2) 65(-1.9,2) 66(-4.44,2) 67(-6.98,2) 68(-9.52,2) 69(-12.06,2) 70(-14.6,2) 71(-17.14,2) 72(-19.68,2) 73(-22.22,2) 74(-24.76,2) 75(-27.3,2) 76(-29.84,2) 77(-32.38,2) 78(-34.92,2) 79(-37.46,2) 80(-40,2) 81(-42.54,2) 82(19.12,2) 83(21.66,2) 84(24.2,2) 85(26.74,2) 86(29.28,2) 87(31.82,2) 88(34.36,2) 89(36.9,2) 90(19.12,4.54) 91(21.66,4.54) 92(24.2,4.54) 93(26.74,4.54) 94(29.28,4.54) 95(31.82,4.54) 96(34.36,4.54) 97(36.9,4.54) 98(19.12,10.59) 99(21.66,10.59) 100(24.2,10.59) 101(26.74,10.59) 102(29.28,10.59) 103(31.82,10.59) 104(34.36,10.59) 105(36.9,10.59) 106(19.12,13.13) 107(21.66,13.13) 108(24.2,13.13) 109(26.74,13.13) 110(29.28,13.13) 111(31.82,13.13) 112(34.36,13.13) 113(36.9,13.13)
TestPoint_Pad_1.0x1.0mm
  rect 1x1 smd: 1(0,0)
TestPoint_Pad_D2.0mm
  round 2 smd: 1(0,0)
TestPoint_THTPad_1.0x1.0mm_Drill0.5mm
  rect 1x1 hole 0.5: 1(0,0)
TestPoint_THTPad_1.5x1.5mm_Drill0.7mm
  rect 1.5x1.5 hole 0.7: 1(0,0)
TI_SO-PowerPAD-8_ThermalVias
  rect 1.55x0.6 smd: 1(-2.7,1.905) 2(-2.7,0.635) 3(-2.7,-0.635) 4(-2.7,-1.905) 5(2.7,-1.905) 6(2.7,-0.635) 7(2.7,0.635) 8(2.7,1.905)
  round 0.6 hole 0.3: 9(-0.6,1.8) 9(-0.6,0.6) 9(-0.6,-0.7) 9(-0.6,-1.8) 9(0.6,1.8) 9(0.6,0.6) 9(0.6,-0.7) 9(0.6,-1.8)
  rect 2.6x3.1 smd: 9(0,0)
  rect 2.95x4.5 smd: 9(0,0)
  rect 2.95x4.5 smd far side: 9(0,0)
TO-252-2
  rrect 2.2x1.2 smd: 1(-5.04,2.28) 3(-5.04,-2.28)
  rrect 3.05x2.75 smd: 2(-0.415,1.525) 2(-0.415,-1.525) 2(2.935,1.525) 2(2.935,-1.525)
  rrect 6.4x5.8 smd: 2(1.26,0)
TSOP-6_1.65x3.05mm_P0.95mm
  rect 0.7x0.51 smd: 1(-1.16,0.95) 2(-1.16,0) 3(-1.16,-0.95) 4(1.16,-0.95) 5(1.16,0) 6(1.16,0.95)
TSSOP-14_4.4x5mm_P0.65mm
  rrect 1.475x0.4 smd: 1(-2.862,1.95) 2(-2.862,1.3) 3(-2.862,0.65) 4(-2.862,0) 5(-2.862,-0.65) 6(-2.862,-1.3) 7(-2.862,-1.95) 8(2.862,-1.95) 9(2.862,-1.3) 10(2.862,-0.65) 11(2.862,0) 12(2.862,0.65) 13(2.862,1.3) 14(2.862,1.95)
TSSOP-16_4.4x5mm_P0.65mm
  rrect 1.475x0.4 smd: 1(-2.862,2.275) 2(-2.862,1.625) 3(-2.862,0.975) 4(-2.862,0.325) 5(-2.862,-0.325) 6(-2.862,-0.975) 7(-2.862,-1.625) 8(-2.862,-2.275) 9(2.862,-2.275) 10(2.862,-1.625) 11(2.862,-0.975) 12(2.862,-0.325) 13(2.862,0.325) 14(2.862,0.975) 15(2.862,1.625) 16(2.862,2.275)
USB_Mini-B_Tensility_54-00023_Vertical
  rect 1.1x1.1 hole 0.7: 1(0,0)
  round 1.1 hole 0.7: 2(0.8,1.75) 3(1.6,0) 4(2.4,1.75) 5(3.2,0)
  oval 1.1x2.4 hole 0.7x2: 6(-2.05,0.875) 6(5.25,0.875)

## Nets
5V_ENABLE: R33.1 U3.7
12V_PERM: J6.62 Q20.4
+3V3: C10.1 C11.1 C13.1 C14.1 C15.1 C16.1 C17.1 C65.1 D1.2 D5.2 D7.2 D8.2 D9.2 D10.2 D12.2 D13.2 D14.2 J2.1 J3.4 J4.1 JP1.1 JP2.1 JP3.1 JP5.2 Q1.1 Q2.1 Q3.1 Q4.1 Q14.1 Q15.1 Q16.1 Q17.1 Q18.1 Q19.1 R49.2 R51.2 R53.2 R64.1 R65.1 R79.2 R80.2 R81.2 R82.2 R85.2 R121.1 R122.1 RN5.5 RN5.6 RN5.7 RN5.8 RN6.5 RN6.6 RN6.7 RN6.8 U1.8 U3.11 U3.19 U3.28 U3.50 U3.75 U3.100 U4.2 U7.3 U7.7 U7.8 U8.6 U8.8 U9.4 U10.4 U12.5 U13.8 U23.5 U23.6 U25.5 U26.16
+5V: C40.1 C63.1 D6.2 D15.1 F1.1 J4.2 L1.2 R18.1 R50.1 R52.1 R68.1 U4.3 U11.5 U12.3 U15.1 U19.1 U25.3 U36.14
+12VA: D2.2 J6.3 JP4.1 Q5.2 Q6.3
/connector/VBUSC: J6.47 JP10.1
GND: BT1.2 C1.2 C2.2 C3.2 C4.2 C5.2 C6.2 C7.2 C8.2 C9.1 C10.2 C11.2 C13.2 C14.2 C15.2 C16.2 C17.2 C18.2 C19.1 C20.2 C21.2 C22.1 C23.2 C24.2 C25.2 C26.2 C27.1 C28.2 C29.2 C30.2 C31.1 C32.2 C33.2 C34.2 C35.2 C36.2 C37.2 C38.2 C39.2 C40.2 C42.2 C43.2 C44.2 C45.2 C46.2 C48.2 C49.2 C50.2 C51.1 C52.2 C53.2 C55.2 C56.2 C58.2 C59.2 C60.2 C61.2 C63.2 C64.2 C65.2 C66.2 C67.2 C68.2 C69.2 C70.2 C71.2 C72.1 C73.1 C74.2 D3.2 D4.2 D11.2 D16.1 D17.1 D18.1 D19.1 D20.1 D21.1 D22.1 D26.2 D77.1 J1.4 J1.5 J2.5 J3.6 J3.9 J3.G1 J3.G2 J3.G3 J3.G4 J4.15 J4.16 J6.1 J6.2 J6.14 J6.15 J6.50 J6.59 J6.66 J6.80 J6.81 Q8.2 Q9.2 Q11.2 Q12.2 Q20.3 R2.2 R3.2 R4.2 R7.2 R16.1 R23.1 R44.2 R48.2 R61.2 R63.2 R66.2 R69.2 R70.2 R83.1 R84.1 SW1.2 SW4.1 SW4.2 U1.33 U2.6 U2.8 U3.10 U3.20 U3.27 U3.74 U3.99 U4.1 U6.9 U7.4 U8.1 U8.7 U9.11 U10.11 U11.2 U12.2 U12.8 U13.33 U14.2 U15.3 U16.6 U16.9 U17.2 U19.2 U19.9 U19.10 U20.8 U21.3 U22.8 U23.9 U23.15 U24.3 U25.2 U25.8 U26.8 U29.3 U30.3 U36.1 U36.3 U36.6 U36.8 U36.11 U36.13 Y1.2 Y1.4
VBATT: BT1.1 D14.1 D25.1 U3.6
VBUS: D15.2 J1.1 JP10.2 U3.68 U11.4
VDDA: C5.1 C6.1 C43.1 C48.1 TP39.1 U3.21 U3.22 U15.2
+5C: C64.1 J6.25 J6.26 J6.27 J6.28 J6.29 J6.65 J6.78 J6.79 R6.2 R9.2 R12.2 R15.2 R36.2 R39.2 R41.2 R43.2 R46.2 R54.2 R74.2 U2.16 U17.3
/ACC_DET: C31.2 Q19.3 R85.1 TP38.1 U3.43
/ADC_CS: U3.15
/AUX_CS_1: J4.3 U3.45
/AUX_CS_2: J4.5 U3.46
/AUX_IN_1_m: C72.2 Q2.3 R79.1 U3.59
/AUX_IN_2_m: C19.2 Q1.3 R80.1 U3.60
/AUX_IN_3_m: C22.2 Q3.3 R81.1 U3.61
/AUX_IN_4_m: C51.2 Q4.3 R82.1 U3.62
/AUX_IN_5: J4.7 U3.91
/AUX_IN_6: J4.9 U3.93
/AUX_IN_7: J4.11 U3.95
/AUX_IN_8: J4.13 U3.98
/AUX_OUT_1: J4.10 U3.33
/AUX_OUT_2: J4.12 U3.34
/AUX_OUT_3: J4.14 U3.35
/AUX_OUT_4: U3.69
/BARO_CS: U3.31 U8.2
/CAN1_RX: U3.81 U12.4
/CAN1_TX: U3.82 U12.1
/CHK: Q9.3 R30.2
/CHK_OUT: R32.1 U3.36 U20.6
/CKP: C41.1 C47.1 Q18.2 R65.2 R122.2 TP7.1 U3.63 U36.5
/CKP/CMP_sensors/CKP_VR: C55.1 JP9.1 R117.1
/CKP/CMP_sensors/IN1+: C54.1 R72.2 R115.1 TP4.1 U36.16
/CKP/CMP_sensors/IN1-: C54.2 JP23.1 R71.2 TP5.1 U36.15
/CKP/CMP_sensors/IN2+: C57.2 JP24.1 R117.2 TP6.1 U36.10
/CKP/CMP_sensors/IN2-: C57.1 R116.2 R120.1 TP3.1 U36.9
/CMP: Q17.2 R64.2 R121.2 TP8.1 U3.64 U36.4
/connector/USBD+: FL1.2 J6.48
/connector/USBD-: FL1.3 J6.49
/ECN1: U1.24 U3.57
/ECN2: U1.23 U3.58
/INY1: U1.10 U3.55
/INY2: U1.11 U3.56
/LED0: R25.2 U3.16
/LED1: R26.2 U3.17
/LED2: R27.2 U3.18
/LED_CAN_RX: R24.2 U3.87
/LED_CAN_TX: R5.2 U3.88
/MEMORY_CS: TP9.1 U3.44 U7.1
/MIL: Q8.3 R29.2
/MIL_OUT: R31.1 U3.67 U20.7
/MTR_DIR: U3.39 U23.8
/MTR_ENABLE: U3.41 U23.1
/MTR_FAULT: JP5.3 U3.40
/MTR_STEP: U3.38 U23.7
/MUX_A: Q16.2 R49.1 U3.84
/MUX_B: Q14.2 R51.1 U3.85
/MUX_C: Q15.2 R53.1 U3.86
/MUX_OUT: U3.32 U10.13 U10.14
/NRST: C9.2 J2.3 SW1.1 U3.14
/PA0: U3.23 U9.8 U9.9
/PA1: U3.24 U9.1 U9.2
/PA2: U3.25 U10.1 U10.2
/PA3: U3.26 U9.6 U9.7
/PA4: U3.29 U10.6 U10.7
/PA5: U3.30 U9.13 U9.14
/PMIC1_CS: U1.4 U3.48
/PMIC1_ENABLE: R83.2 U1.9 U3.51
/PMIC2_CS: U3.96 U13.4
/PMIC2_ENABLE: R84.2 U3.52 U13.9
/PMIC/GD0: U1.3 U29.2
/PMIC/GD1: U1.14 U29.4
/PMIC/GD2: U1.30 U30.2
/PMIC/GD3: U1.19 U30.4
/PMIC_CS: U3.77
/R_AAC: U3.3 U22.1 U22.2
/R_ECN_INY: U3.1 U22.5 U22.6
/R_GNC_GLP: U3.2 U22.3 U22.4
/R_LMB: U3.97 U22.7
/RPM_OUT: R34.1 U3.42
/SD_CD: J3.10 RN5.4 U3.83
/SD_CLK: J3.5 RN6.4 U3.80
/SD_CMD: J3.3 RN5.1 U3.92
/SD_DAT0: J3.7 RN6.3 U3.65
/SD_DAT1: J3.8 RN6.2 U3.66
/SD_DAT2: J3.1 RN5.3 U3.78
/SD_DAT3: J3.2 RN5.2 U3.79
/Sensores/A: Q16.3 R18.2 U2.11
/Sensores/AUX_CH1_m: C4.1 R38.1 TP10.1 U2.13 U26.4
/Sensores/AUX_CH2_m: C20.1 R11.1 TP11.1 U2.14 U26.3
/Sensores/AUX_CH3_m: C23.1 R14.1 TP12.1 U2.15 U26.2
/Sensores/AUX_CH4_m: C26.1 R37.1 TP13.1 U2.12 U26.5
/Sensores/AUX_CH5_m: C35.1 R8.1 TP16.1 U2.1 U26.1
/Sensores/AUX_CH6_m: C38.1 R60.1 TP17.1 U2.5 U26.12
/Sensores/AUX_CH7_m: C44.1 R42.1 TP18.1 U2.2 U26.15
/Sensores/AUX_CH8_m: C50.1 R40.1 TP21.1 U2.4 U26.13
/Sensores/B: Q14.3 R50.2 U2.10
/Sensores/Boot0: TP35.1 U19.8
/Sensores/C: Q15.3 R52.2 U2.9
/Sensores/CAN_RX: U19.5 U25.4
/Sensores/CAN_TX: U19.6 U25.1
/Sensores/CH_CLT_m: C69.1 R10.2 R45.1 TP15.1 U26.14
/Sensores/CH_IAT_m: C67.1 R47.2 R75.1 TP14.1 U26.7
/Sensores/CH_MAP_m: C46.1 R55.2 R77.1 TP23.1 U26.11
/Sensores/CH_O2_m: C49.1 R67.2 R78.1 TP25.1 U26.9
